# Altium PCB GEM_AFE_128.PcbDoc (part 10 of 18) (continued)
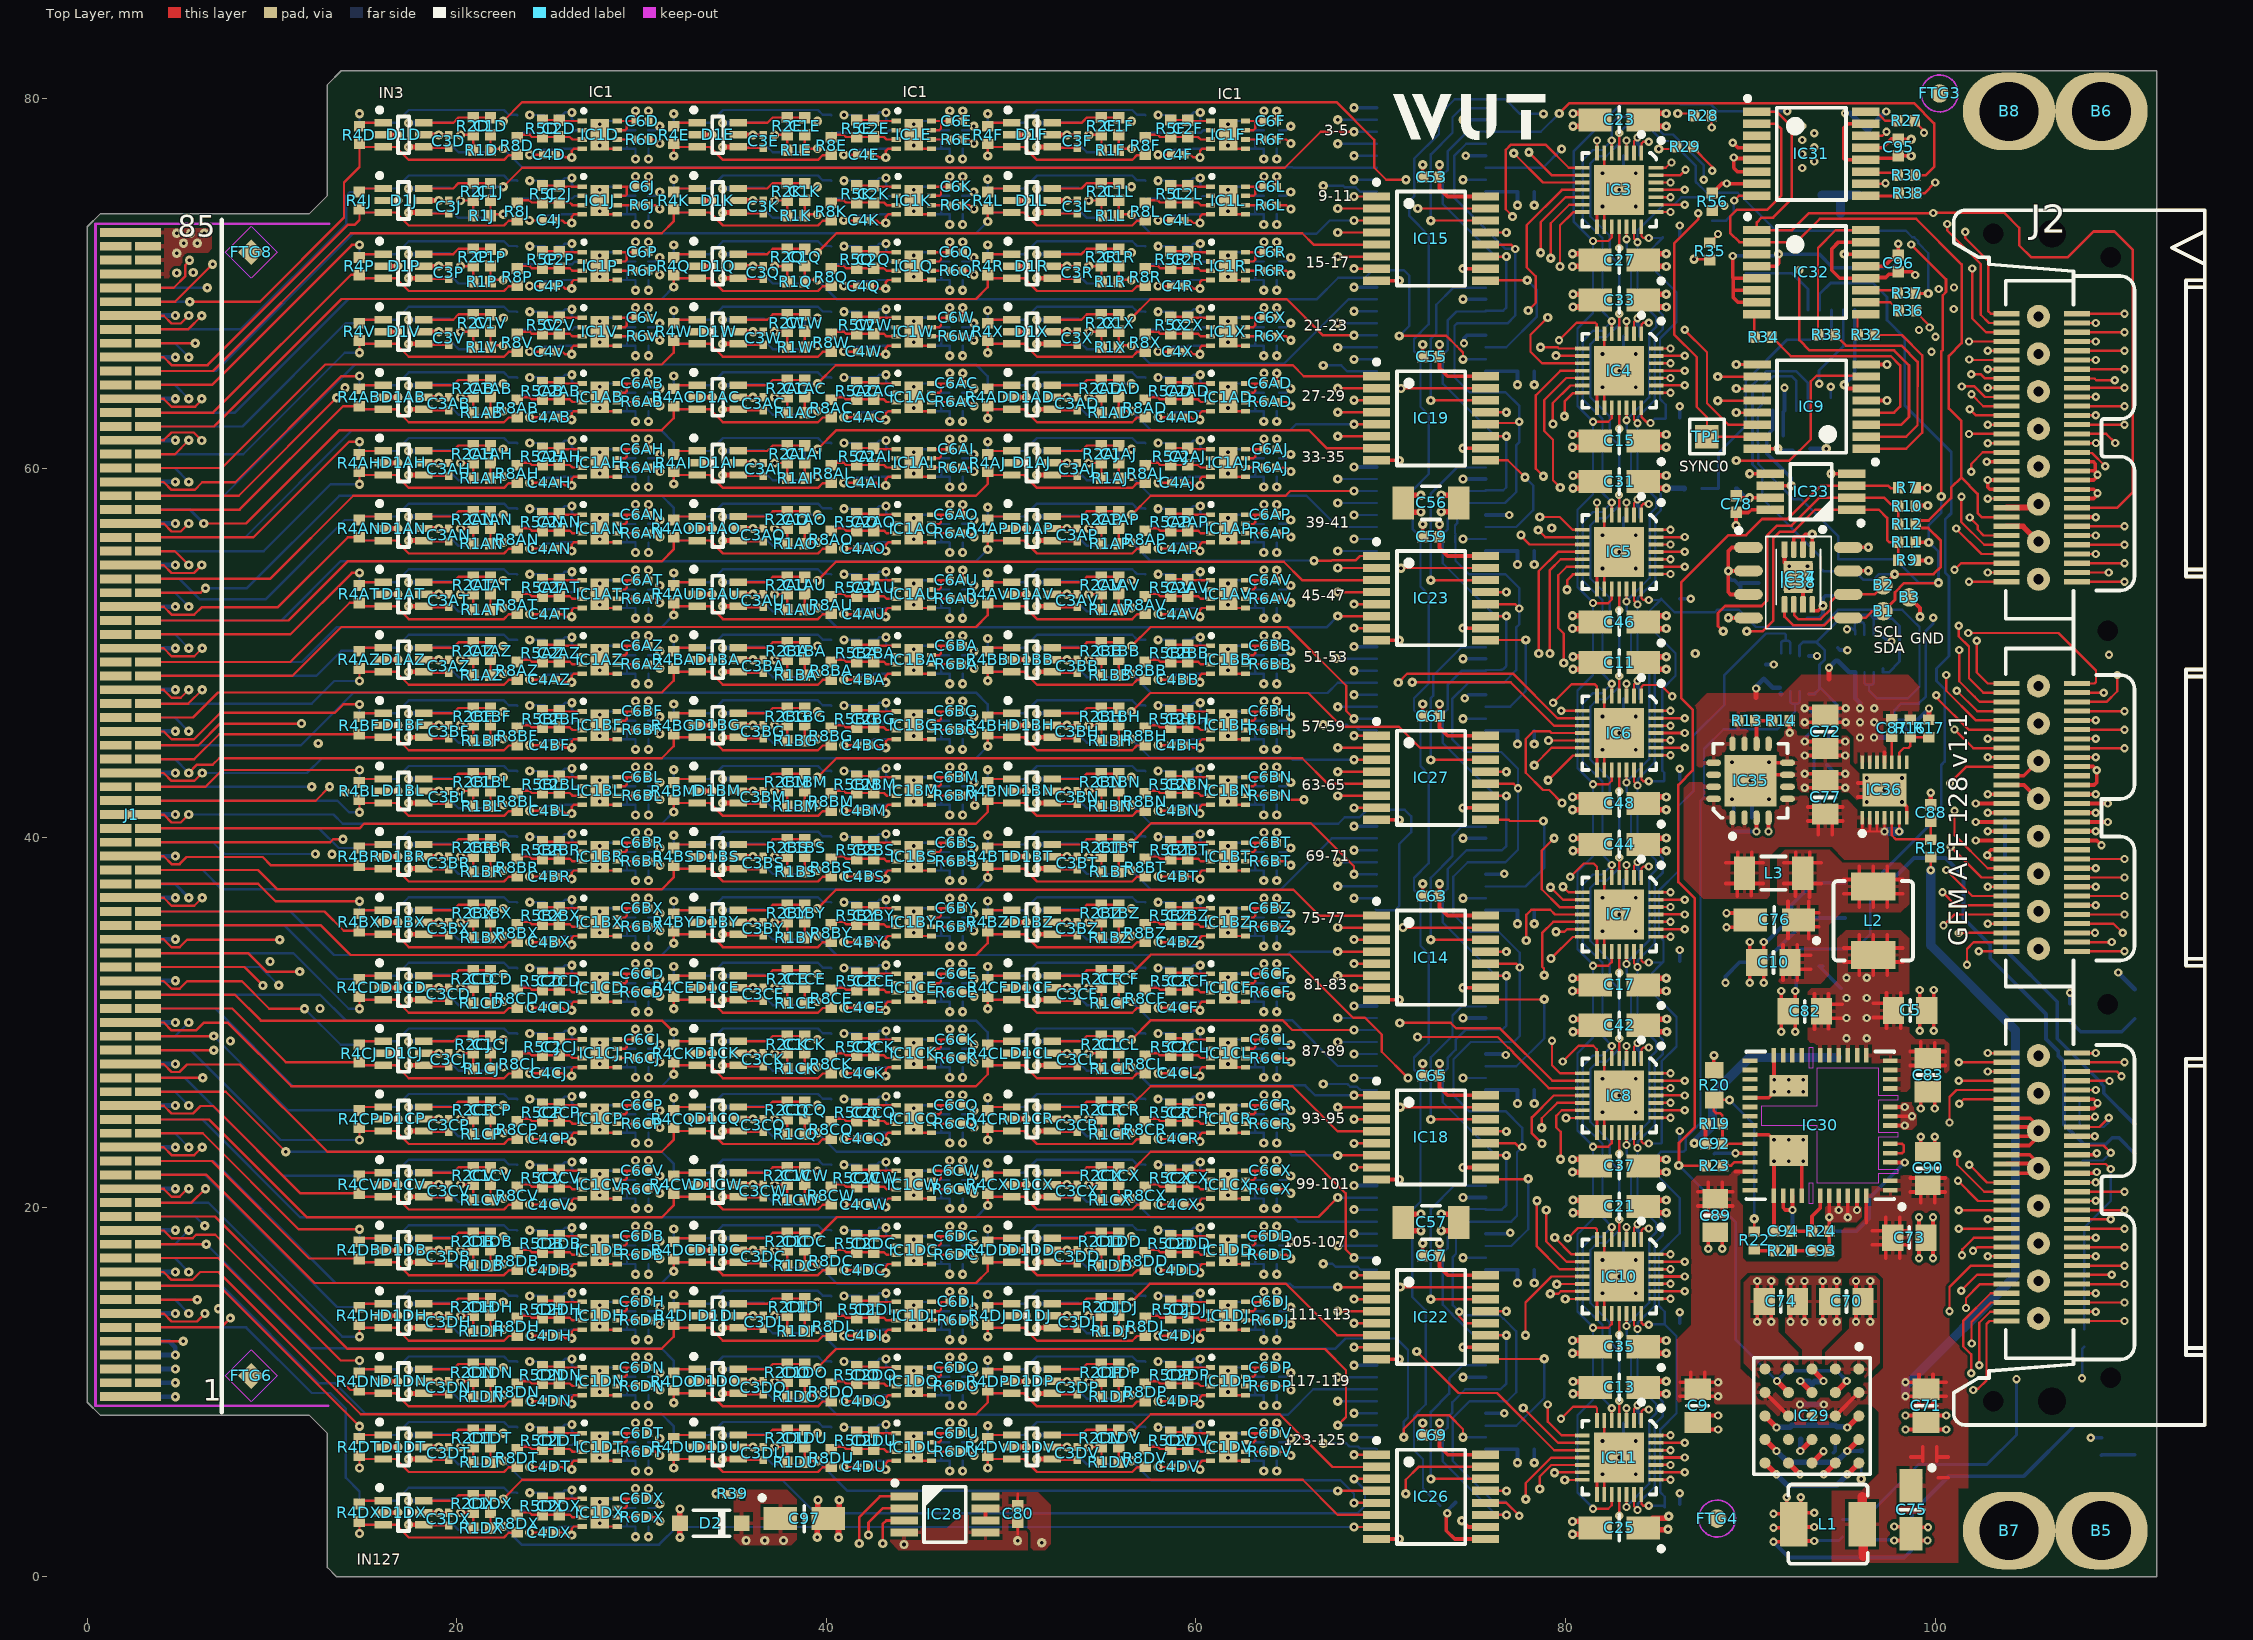
[diagram p0: Top Layer view]
## Nets (pads, with @x,y where several pads share a name; then routed paths per layer and width w, separated by ;. In a path a pad name is that pad's centre, name@x,y a point inside that pad or via, vN(x,y) a via of type N, cw(c..) or ccw(c..) an arc to the next point about the centre after c; other vN are vias at no path point) (continued)
  Bottom Layer w0.127: v1(14.736,43.659) R4BI.1@14.736,42.987 14.924,43.175 16.7,43.175 17.4,43.875 22.55,43.875 22.809,43.616 23.24,43.616 R8BI.1@23.266,43.59
IN_P61: D1BJ.3 J1.126 R4BJ.1 R8BJ.1 | length 40
  L4 w0.127: v1(12.15,42.75) 13,41.9 16,41.9 16.55,41.35 20.209,41.35 21.65,42.791 26.1,42.791 26.925,43.616 28.55,43.616 28.925,43.241 30.5,43.241 30.934,43.675 v1(31.736,43.675)
  Bottom Layer w0.127: J1.126@3.3,42.75 v1(12.15,42.75) ; v1@31.736,43.659 R4BJ.1@31.736,42.987 31.924,43.175 33.7,43.175 34.4,43.875 39.55,43.875 39.809,43.616 40.24,43.616 R8BJ.1@40.266,43.59
IN_P62: D1BK.3 J1.44 R4BK.1 R8BK.1 | length 56.6
  Top Layer w0.127: J1.44@3.3,42 12.37,42 v1(13.12,42.75)
  L4 w0.127: v1(13.12,42.75) 14.67,44.3 15.355,44.3 45.25,44.3 46.2,43.35 47.6,43.35 47.925,43.675 v1(48.736,43.675)
  Bottom Layer w0.127: v1@48.736,43.659 R4BK.1@48.736,42.987 48.924,43.175 50.7,43.175 51.4,43.875 56.55,43.875 56.809,43.616 57.24,43.616 R8BK.1@57.266,43.59
IN_P63: D1BL.3 J1.127 R4BL.1 R8BL.1 | length 21.6
  Top Layer w0.127: v1(14.736,41.375) R4BL.1@14.736,42.047 ; R4BL.1@14.736,42.063 14.924,41.875 16.7,41.875 17.4,41.175 22.551,41.175 22.81,41.434 23.24,41.434 R8BL.1@23.266,41.46 ; R8BL.1@23.143,41.47 R8BL.1@23.266,41.593
  Bottom Layer w0.127: J1.127@3.3,42 13.55,42 14.175,41.375 v1(14.736,41.375)
IN_P64: D1BM.3 J1.43 R4BM.1 R8BM.1 | length 40.1
  Top Layer w0.127: J1.43@2.357,41.243 4.146,41.243 4.571,40.818 5.068,40.818 v1(5.5,41.25) ; v1(31.736,41.391) 31.736,42.063 31.924,41.875 33.7,41.875 34.4,41.175 39.551,41.175 39.81,41.434 40.24,41.434 R8BM.1@40.266,41.46 ; R8BM.1@40.143,41.47 R8BM.1@40.266,41.593
  Bottom Layer w0.127: v1(5.5,41.25) 13.329,41.25 13.829,40.75 31.095,40.75 v1(31.736,41.391)
IN_P65: D1BN.3 J1.42 R4BN.1 R8BN.1 | length 55.7
  Top Layer w0.127: J1.42@3.3,40.5 14.734,40.5 14.983,40.75 48.095,40.75 48.736,41.391 48.736,42.063 48.924,41.875 50.7,41.875 51.4,41.175 56.551,41.175 56.81,41.434 57.24,41.434 R8BN.1@57.266,41.46 ; R8BN.1@57.143,41.47 R8BN.1@57.266,41.593
IN_P66: D1BO.3 J1.129 R4BO.1 R8BO.1 | length 20.9
  Bottom Layer w0.127: J1.129@3.3,40.5 12.547,40.5 13.61,39.437 R4BO.1@14.736,39.437 14.924,39.625 16.7,39.625 17.4,40.325 22.55,40.325 22.809,40.066 23.24,40.066 R8BO.1@23.266,40.04
IN_P67: D1BP.3 J1.41 R4BP.1 R8BP.1 | length 39.3
  Top Layer w0.127: J1.41@3.3,39.75 13.15,39.75 13.309,39.909 v1(13.846,39.909)
  L4 w0.127: v1(13.846,39.909) 14.591,39.909 14.773,40.091 20.8,40.091 21.65,39.241 26.1,39.241 26.925,40.066 28.55,40.066 28.925,39.691 30.5,39.691 30.934,40.125 v1(31.736,40.125)
  Bottom Layer w0.127: v1@31.736,40.109 R4BP.1@31.736,39.437 31.924,39.625 33.7,39.625 34.4,40.325 39.55,40.325 39.809,40.066 40.24,40.066 R8BP.1@40.266,40.04
IN_P68: D1BQ.3 J1.130 R4BQ.1 R8BQ.1 | length 56.7
  L4 w0.127: v1(12.35,39.116) 13.984,40.75 45.2,40.75 46.25,39.7 47.5,39.7 47.925,40.125 v1(48.736,40.125)
  Bottom Layer w0.127: J1.130@3.3,39.75 6.8,39.75 7.434,39.116 v1(12.35,39.116) ; v1@48.736,40.109 R4BQ.1@48.736,39.437 48.924,39.625 50.7,39.625 51.4,40.325 56.55,40.325 56.809,40.066 57.24,40.066 R8BQ.1@57.266,40.04
IN_P69: D1BR.3 J1.40 R4BR.1 R8BR.1 | length 22.1
  Top Layer w0.127: J1.40@2.357,38.993 4.146,38.993 4.571,38.568 5.003,38.568 5.383,38.948 9.502,38.948 9.953,38.497 R4BR.1@14.736,38.497 ; R4BR.1@14.736,38.513 14.924,38.325 16.7,38.325 17.4,37.625 22.551,37.625 22.81,37.884 23.24,37.884 R8BR.1@23.266,37.91 ; R8BR.1@23.143,37.92 R8BR.1@23.266,38.043
IN_P70: D1BS.3 J1.39 R4BS.1 R8BS.1 | length 39
  Top Layer w0.127: J1.39@3.3,38.25 9.25,38.25 10.3,37.2 31.095,37.2 31.736,37.841 31.736,38.513 31.924,38.325 33.7,38.325 34.4,37.625 39.551,37.625 39.81,37.884 40.24,37.884 R8BS.1@40.266,37.91 ; R8BS.1@40.143,37.92 R8BS.1@40.266,38.043
IN_P71: D1BT.3 J1.132 R4BT.1 R8BT.1 | length 56
  Top Layer w0.127: v1(48.736,37.841) 48.736,38.513 48.924,38.325 50.7,38.325 51.4,37.625 56.551,37.625 56.81,37.884 57.24,37.884 R8BT.1@57.266,37.91 ; R8BT.1@57.143,37.92 R8BT.1@57.266,38.043
  Bottom Layer w0.127: J1.132@3.3,38.25 6.25,38.25 7.3,37.2 48.095,37.2 v1(48.736,37.841)
IN_P72: D1BU.3 J1.38 R4BU.1 R8BU.1 | length 21.5
  Top Layer w0.127: J1.38@3.3,37.5 9.25,37.5 10.191,36.559 v1(14.736,36.559)
  Bottom Layer w0.127: v1(14.736,36.559) R4BU.1@14.736,35.887 14.924,36.075 16.7,36.075 17.4,36.775 22.55,36.775 22.809,36.516 23.24,36.516 R8BU.1@23.266,36.49
IN_P73: D1BV.3 J1.133 R4BV.1 R8BV.1 | length 40.2
  L4 w0.127: v1(5.5,36.75) 6.55,35.7 15.109,35.7 15.95,36.541 20.8,36.541 21.65,35.691 26.1,35.691 26.925,36.516 28.55,36.516 28.925,36.141 30.5,36.141 30.934,36.575 v1(31.736,36.575)
  Bottom Layer w0.127: v1@31.736,36.559 R4BV.1@31.736,35.887 31.924,36.075 33.7,36.075 34.4,36.775 39.55,36.775 39.809,36.516 40.24,36.516 R8BV.1@40.266,36.49
  Bottom Layer w0.16: J1.133@3.3,37.5 4.75,37.5 v1(5.5,36.75)
IN_P74: D1BW.3 J1.37 R4BW.1 R8BW.1 | length 57.2
  Top Layer w0.127: J1.37@2.357,36.743 4.146,36.743 4.571,36.318 5.793,36.318 v1(6.225,36.75)
  L4 w0.127: v1(6.225,36.75) 14,36.75 14.45,37.2 15.95,37.2 45.05,37.2 46.075,36.175 47.55,36.175 47.95,36.575 v1(48.736,36.575)
  Bottom Layer w0.127: v1@48.736,36.559 R4BW.1@48.736,35.887 48.924,36.075 50.7,36.075 51.4,36.775 56.55,36.775 56.809,36.516 57.24,36.516 R8BW.1@57.266,36.49
IN_P75: D1BX.3 J1.36 R4BX.1 R8BX.1 | length 21.1
  Top Layer w0.127: J1.36@3.3,36 12.85,36 13.887,34.963 14.736,34.963 14.924,34.775 16.7,34.775 17.4,34.075 22.551,34.075 22.81,34.334 23.24,34.334 R8BX.1@23.266,34.36 ; R8BX.1@23.143,34.37 R8BX.1@23.266,34.493
IN_P76: D1BY.3 J1.135 R4BY.1 R8BY.1 | length 39.5
  Top Layer w0.127: v1(31.736,34.291) 31.736,34.963 31.924,34.775 33.7,34.775 34.4,34.075 39.551,34.075 39.81,34.334 40.24,34.334 R8BY.1@40.266,34.36 ; R8BY.1@40.143,34.37 R8BY.1@40.266,34.493
  Bottom Layer w0.127: J1.135@3.3,36 11,36 13.35,33.65 31.095,33.65 v1(31.736,34.291)
IN_P77: D1BZ.3 J1.35 R4BZ.1 R8BZ.1 | length 56.2
  Top Layer w0.127: J1.35@3.3,35.25 12.65,35.25 14.25,33.65 48.095,33.65 48.736,34.291 48.736,34.963 48.924,34.775 50.7,34.775 51.4,34.075 56.551,34.075 56.81,34.334 57.24,34.334 R8BZ.1@57.266,34.36 ; R8BZ.1@57.143,34.37 R8BZ.1@57.266,34.493
IN_P78: D1CA.3 J1.136 R4CA.1 R8CA.1 | length 21.7
  Bottom Layer w0.127: J1.136@3.3,35.25 10.675,35.25 13.572,32.353 R4CA.1@14.736,32.353 ; R4CA.1@14.736,32.337 14.924,32.525 16.7,32.525 17.4,33.225 22.55,33.225 22.809,32.966 23.24,32.966 R8CA.1@23.266,32.94
IN_P79: D1CB.3 J1.34 R4CB.1 R8CB.1 | length 42.6
  Top Layer w0.127: J1.34@2.357,34.493 4.146,34.493 4.571,34.068 5.003,34.068 5.41,34.475 v1(10.425,34.475)
  L4 w0.127: v1(10.425,34.475) 10.425,32.975 11.35,32.05 16.15,32.05 17.2,33.1 23,33.1 23.6,32.5 26.65,32.5 27.2,33.05 28.4,33.05 28.9,32.55 30.403,32.55 30.878,33.025 v1(31.736,33.025)
  Bottom Layer w0.127: v1@31.736,33.009 R4CB.1@31.736,32.337 31.924,32.525 33.7,32.525 34.4,33.225 39.55,33.225 39.809,32.966 40.24,32.966 R8CB.1@40.266,32.94
IN_P80: D1CC.3 J1.33 R4CC.1 R8CC.1 | length 56.5
  Top Layer w0.127: J1.33@3.3,33.75 8.7,33.75 9.7,32.75 v1(11.5,32.75)
  L4 w0.127: v1@11.476,32.75 16.125,32.75 17.025,33.65 45.25,33.65 46.225,32.675 47.625,32.675 47.975,33.025 v1(48.736,33.025)
  Bottom Layer w0.127: v1@48.736,33.009 R4CC.1@48.736,32.337 48.924,32.525 50.7,32.525 51.4,33.225 56.55,33.225 56.809,32.966 57.24,32.966 R8CC.1@57.266,32.94
IN_P81: D1CD.3 J1.138@3.3,33.75 R4CD.1 R8CD.1 | length 22.5
  Top Layer w0.127: v1(14.736,30.741) 14.736,31.413 14.924,31.225 16.7,31.225 17.4,30.525 22.551,30.525 22.81,30.784 23.24,30.784 R8CD.1@23.266,30.81 ; R8CD.1@23.143,30.82 R8CD.1@23.266,30.943
  Bottom Layer w0.127: J1.138@3.3,33.75 11.15,33.75 14.159,30.741 v1(14.736,30.741)
IN_P82: D1CE.3 J1.32 R4CE.1 R8CE.1 | length 41.7
  Top Layer w0.127: J1.32@3.3,33 8.513,33 v1(9.509,32.003) ; v1(31.736,30.741) 31.736,31.413 31.924,31.225 33.7,31.225 34.4,30.525 39.551,30.525 39.81,30.784 40.24,30.784 R8CE.1@40.266,30.81 ; R8CE.1@40.143,30.82 R8CE.1@40.266,30.943
  L4 w0.127: v1(9.509,32.003) 9.509,31.091 10.95,29.65 19.675,29.65 21.65,31.625 26.1,31.625 26.925,30.8 28.55,30.8 28.925,31.175 30.5,31.175 30.934,30.741 v1(31.736,30.741)
IN_P83: D1CF.3 J1.139 R4CF.1 R8CF.1 | length 59.3
  Top Layer w0.127: v1(48.736,30.741) 48.736,31.413 48.924,31.225 50.7,31.225 51.4,30.525 56.551,30.525 56.81,30.784 57.24,30.784 R8CF.1@57.266,30.81 ; R8CF.1@57.143,30.82 R8CF.1@57.266,30.943
  L4 w0.127: v1(10.372,32.014) 10.372,31.378 11.6,30.15 19.3,30.15 21.212,32.062 26.938,32.062 27.15,31.85 33.1,31.85 34.15,30.8 37.8,30.8 38.65,31.65 43.05,31.65 43.9,30.8 45.45,30.8 45.95,31.3 47.35,31.3 47.909,30.741 v1(48.736,30.741)
  Bottom Layer w0.127: J1.139@3.3,33 9.387,33 v1(10.372,32.014)
IN_P84: D1CG.3 J1.31 R4CG.1 R8CG.1 | length 23.2
  Top Layer w0.127: J1.31@2.357,32.243 4.146,32.243 4.571,31.818 5.003,31.818 5.41,32.225 8.375,32.225 9.858,30.742 v1(11.766,30.742)
  Bottom Layer w0.127: v1(11.766,30.742) 13.721,28.787 R4CG.1@14.736,28.787 14.924,28.975 16.7,28.975 17.4,29.675 22.55,29.675 22.809,29.416 23.24,29.416 R8CG.1@23.266,29.39
IN_P85: D1CH.3 J1.30 R4CH.1 R8CH.1 | length 39
  Top Layer w0.127: J1.30@3.3,31.5 8,31.5 9.4,30.1 31.111,30.1 v1(31.736,29.475)
  Bottom Layer w0.127: v1@31.736,29.459 R4CH.1@31.736,28.787 31.924,28.975 33.7,28.975 34.4,29.675 39.55,29.675 39.809,29.416 40.24,29.416 R8CH.1@40.266,29.39
IN_P86: D1CI.3 J1.141 R4CI.1 R8CI.1 | length 56
  Bottom Layer w0.127: J1.141@3.3,31.5 12.6,31.5 14,30.1 48.095,30.1 48.736,29.459 R4CI.1@48.736,28.787 48.924,28.975 50.7,28.975 51.4,29.675 56.55,29.675 56.809,29.416 57.24,29.416 R8CI.1@57.266,29.39
IN_P87: D1CJ.3 J1.29 R4CJ.1 R8CJ.1 | length 21.8
  Top Layer w0.127: J1.29@3.3,30.75 7.85,30.75 10.753,27.847 R4CJ.1@14.736,27.847 ; R4CJ.1@14.736,27.863 14.924,27.675 16.7,27.675 17.4,26.975 22.551,26.975 22.81,27.234 23.24,27.234 R8CJ.1@23.266,27.26 ; R8CJ.1@23.143,27.27 R8CJ.1@23.266,27.393
IN_P88: D1CK.3 J1.142 R4CK.1 R8CK.1 | length 40.3
  Top Layer w0.127: v1@31.736,27.206 R4CK.1@31.736,27.879 ; R4CK.1@31.736,27.863 31.924,27.675 33.7,27.675 34.4,26.975 39.551,26.975 39.81,27.234 40.24,27.234 R8CK.1@40.266,27.26 ; R8CK.1@40.143,27.27 R8CK.1@40.266,27.393
  Bottom Layer w0.127: J1.142@3.3,30.75 6.95,30.75 11.15,26.55 31.095,26.55 v1(31.736,27.191)
IN_P89: D1CL.3 J1.28 R4CL.1 R8CL.1 | length 58.3
  Top Layer w0.127: J1.28@2.357,29.993 4.146,29.993 4.571,29.568 5.896,29.568 6.302,29.975 7.625,29.975 11.05,26.55 48.095,26.55 48.736,27.191 48.736,27.863 48.924,27.675 50.7,27.675 51.4,26.975 56.551,26.975 56.81,27.234 57.24,27.234 R8CL.1@57.266,27.26 ; R8CL.1@57.143,27.27 R8CL.1@57.266,27.393
IN_P90: D1CM.3 J1.27 R4CM.1 R8CM.1 | length 22.1
  Top Layer w0.127: J1.27@3.3,29.25 v1@6.85,29.25
  Bottom Layer w0.127: v1(6.854,29.259) 10.86,25.253 R4CM.1@14.736,25.253 ; R4CM.1@14.736,25.237 14.924,25.425 16.7,25.425 17.4,26.125 22.55,26.125 22.809,25.866 23.24,25.866 R8CM.1@23.266,25.84
IN_P91: D1CN.3 J1.144 R4CN.1 R8CN.1 | length 41.8
  L4 w0.127: v1(5.5,30) 5.5,28.8 6.6,27.7 8.088,27.7 9.938,25.85 20.625,25.85 21.45,25.025 26.175,25.025 26.975,25.825 28.55,25.825 28.825,25.55 30.525,25.55 30.9,25.925 v1(31.736,25.925)
  Bottom Layer w0.127: J1.144@3.3,29.25 4.75,29.25 v1(5.5,30) ; v1@31.736,25.909 R4CN.1@31.736,25.237 31.924,25.425 33.7,25.425 34.4,26.125 39.55,26.125 39.809,25.866 40.24,25.866 R8CN.1@40.266,25.84
IN_P92: D1CO.3 J1.26 R4CO.1 R8CO.1 | length 56.4
  Top Layer w0.127: J1.26@3.3,28.5 v1(6.85,28.5)
  L4 w0.127: v1(6.85,28.5) 8.055,28.5 10.004,26.551 45.274,26.551 46.2,25.625 47.625,25.625 47.925,25.925 v1(48.736,25.925)
  Bottom Layer w0.127: v1@48.736,25.909 R4CO.1@48.736,25.237 48.924,25.425 50.7,25.425 51.4,26.125 56.55,26.125 56.809,25.866 57.24,25.866 R8CO.1@57.266,25.84
IN_P93: D1CP.3 J1.145 R4CP.1 R8CP.1 | length 23.3
  Top Layer w0.127: v1(14.736,23.641) 14.736,24.313 14.924,24.125 16.7,24.125 17.4,23.425 22.551,23.425 22.81,23.684 23.24,23.684 R8CP.1@23.266,23.71 ; R8CP.1@23.143,23.72 R8CP.1@23.266,23.843
  Bottom Layer w0.127: J1.145@3.3,28.5 5.6,28.5 10.459,23.641 v1(14.736,23.641)
IN_P94: D1CQ.3 J1.25 R4CQ.1 R8CQ.1 | length 41.8
  Top Layer w0.127: J1.25@2.357,27.743 4.146,27.743 4.571,27.318 5.003,27.318 5.41,27.725 8.275,27.725 13,23 31.095,23 31.736,23.641 31.736,24.313 31.924,24.125 33.7,24.125 34.4,23.425 39.551,23.425 39.81,23.684 40.24,23.684 R8CQ.1@40.266,23.71 ; R8CQ.1@40.143,23.72 R8CQ.1@40.266,23.843
IN_P95: D1CR.3 J1.24 R4CR.1 R8CR.1 | length 58.6
  Top Layer w0.127: J1.24@3.3,27 v1(6.25,27) ; v1(48.736,23.641) 48.736,24.313 48.924,24.125 50.7,24.125 51.4,23.425 56.551,23.425 56.81,23.684 57.24,23.684 R8CR.1@57.266,23.71 ; R8CR.1@57.143,23.72 R8CR.1@57.266,23.843
  L4 w0.127: v1(6.25,27) 7.85,27 11.75,23.1 15.75,23.1 16.25,23.6 20.2,23.6 21.1,24.5 26.8,24.5 27.05,24.75 33.05,24.75 33.5,24.3 33.979,24.3 34.229,24.55 34.75,24.55 35.1,24.2 38.094,24.2 38.52,24.626 45.374,24.626 45.75,24.25 47.25,24.25 47.859,23.641 v1(48.736,23.641)
IN_P96: D1CS.3 J1.147 R4CS.1 R8CS.1 | length 22.6
  Bottom Layer w0.127: J1.147@3.3,27 5.3,27 10.597,21.703 R4CS.1@14.736,21.703 ; R4CS.1@14.736,21.687 14.924,21.875 16.7,21.875 17.4,22.575 22.55,22.575 22.809,22.316 23.24,22.316 R8CS.1@23.266,22.29
IN_P97: D1CT.3 J1.23 R4CT.1 R8CT.1 | length 39.7
  Top Layer w0.127: J1.23@3.3,26.25 7.5,26.25 v1(10.75,23)
  Bottom Layer w0.127: v1(10.75,23) 31.095,23 31.736,22.359 R4CT.1@31.736,21.687 31.924,21.875 33.7,21.875 34.4,22.575 39.55,22.575 39.809,22.316 40.24,22.316 R8CT.1@40.266,22.29
IN_P98: D1CU.3 J1.148 R4CU.1 R8CU.1 | length 58.5
  L4 w0.127: v1(5.5,25.5) 6.35,25.5 10.575,21.275 15.75,21.275 17.475,23 45.125,23 46.125,22 47.55,22 47.925,22.375 v1(48.736,22.375)
  Bottom Layer w0.127: J1.148@3.3,26.25 4.75,26.25 v1(5.5,25.5) ; v1@48.736,22.359 R4CU.1@48.736,21.687 48.924,21.875 50.7,21.875 51.4,22.575 56.55,22.575 56.809,22.316 57.24,22.316 R8CU.1@57.266,22.29
IN_P99: D1CV.3 J1.22 R4CV.1 R8CV.1 | length 23.9
  Top Layer w0.127: J1.22@2.357,25.493 4.146,25.493 4.571,25.068 5.72,25.068 6.126,25.475 6.825,25.475 11.553,20.747 R4CV.1@14.736,20.747 ; R4CV.1@14.736,20.763 14.924,20.575 16.7,20.575 17.4,19.875 22.551,19.875 22.81,20.134 23.24,20.134 R8CV.1@23.266,20.16 ; R8CV.1@23.143,20.17 R8CV.1@23.266,20.293
IN_P100: D1CW.3 J1.21 R4CW.1 R8CW.1 | length 40.8
  Top Layer w0.127: J1.21@3.3,24.75 6.6,24.75 11.9,19.45 31.095,19.45 31.736,20.091 31.736,20.763 31.924,20.575 33.7,20.575 34.4,19.875 39.551,19.875 39.81,20.134 40.24,20.134 R8CW.1@40.266,20.16 ; R8CW.1@40.143,20.17 R8CW.1@40.266,20.293
IN_P101: D1CX.3 J1.150 R4CX.1 R8CX.1 | length 57.8
  Top Layer w0.127: v1(48.736,20.091) 48.736,20.763 48.924,20.575 50.7,20.575 51.4,19.875 56.551,19.875 56.81,20.134 57.24,20.134 R8CX.1@57.266,20.16 ; R8CX.1@57.143,20.17 R8CX.1@57.266,20.293
  Bottom Layer w0.127: J1.150@3.3,24.75 6.234,24.75 11.534,19.45 48.095,19.45 v1(48.736,20.091)
IN_P102: D1CY.3 J1.20 R4CY.1 R8CY.1 | length 23.3
  Top Layer w0.127: J1.20@3.3,24 6.25,24 11.441,18.809 v1(14.736,18.809)
  Bottom Layer w0.127: v1(14.736,18.809) R4CY.1@14.736,18.137 14.924,18.325 16.7,18.325 17.4,19.025 22.55,19.025 22.809,18.766 23.24,18.766 R8CY.1@23.266,18.74
IN_P103: D1CZ.3 J1.151 R4CZ.1 R8CZ.1 | length 42.5
  L4 w0.127: v1(5.5,23.25) 12.3,16.45 19.85,16.45 21.175,17.775 26.1,17.775 27.075,18.75 27.95,18.75 28.25,18.45 30.575,18.45 30.95,18.825 v1(31.736,18.825)
  Bottom Layer w0.127: J1.151@3.3,24 4.75,24 v1(5.5,23.25) ; v1@31.736,18.809 R4CZ.1@31.736,18.137 31.924,18.325 33.7,18.325 34.4,19.025 39.55,19.025 39.809,18.766 40.24,18.766 R8CZ.1@40.266,18.74
IN_P104: D1DA.3 J1.19 R4DA.1 R8DA.1 | length 58.6
  Top Layer w0.127: J1.19@2.357,23.243 4.146,23.243 4.571,22.818 5.793,22.818 v1(6.225,23.25)
  L4 w0.127: v1(6.225,23.25) 10.025,19.45 45.15,19.45 46.2,18.4 47.475,18.4 47.9,18.825 v1(48.736,18.825)
  Bottom Layer w0.127: v1@48.736,18.809 R4DA.1@48.736,18.137 48.924,18.325 50.7,18.325 51.4,19.025 56.55,19.025 56.809,18.766 57.24,18.766 R8DA.1@57.266,18.74
IN_P105: D1DB.3 J1.18 R4DB.1 R8DB.1 | length 22.8
  Top Layer w0.127: J1.18@3.3,22.5 6.75,22.5 12.021,17.229 R4DB.1@14.736,17.229 ; R4DB.1@14.736,17.213 14.924,17.025 16.7,17.025 17.4,16.325 22.551,16.325 22.81,16.584 23.24,16.584 R8DB.1@23.266,16.61 ; R8DB.1@23.143,16.62 R8DB.1@23.266,16.743
IN_P106: D1DC.3 J1.153 R4DC.1 R8DC.1 | length 41.3
  Top Layer w0.127: v1(31.736,16.541) 31.736,17.213 31.924,17.025 33.7,17.025 34.4,16.325 39.551,16.325 39.81,16.584 40.24,16.584 R8DC.1@40.266,16.61 ; R8DC.1@40.143,16.62 R8DC.1@40.266,16.743
  Bottom Layer w0.127: J1.153@3.3,22.5 6.837,22.5 13.441,15.896 31.091,15.896 v1(31.736,16.541)
IN_P107: D1DD.3 J1.17 R4DD.1 R8DD.1 | length 58
  Top Layer w0.127: J1.17@3.3,21.75 6.45,21.75 12.3,15.9 48.095,15.9 48.736,16.541 48.736,17.213 48.924,17.025 50.7,17.025 51.4,16.325 56.551,16.325 56.81,16.584 57.24,16.584 R8DD.1@57.266,16.61 ; R8DD.1@57.143,16.62 R8DD.1@57.266,16.743
IN_P108: D1DE.3 J1.154 R4DE.1 R8DE.1 | length 23.4
  Bottom Layer w0.127: J1.154@3.3,21.75 6.373,21.75 13.52,14.603 R4DE.1@14.736,14.603 ; R4DE.1@14.736,14.587 14.924,14.775 16.7,14.775 17.4,15.475 22.55,15.475 22.809,15.216 23.24,15.216 R8DE.1@23.266,15.19
IN_P109: D1DF.3 J1.16 R4DF.1 R8DF.1 | length 43
  Top Layer w0.127: J1.16@2.357,20.993 4.146,20.993 4.571,20.568 5.003,20.568 v1@5.41,20.975
  L4 w0.127: v1(5.5,21) 11.823,14.677 14.727,14.677 15.425,15.375 23,15.375 23.65,14.725 26.575,14.725 27.05,15.2 28.95,15.2 29.225,14.925 30.675,14.925 31.025,15.275 v1(31.736,15.275)
  Bottom Layer w0.127: v1@31.736,15.259 R4DF.1@31.736,14.587 31.924,14.775 33.7,14.775 34.4,15.475 39.55,15.475 39.809,15.216 40.24,15.216 R8DF.1@40.266,15.19
IN_P110: D1DG.3 J1.15 R4DG.1 R8DG.1 | length 58.6
  Top Layer w0.127: J1.15@3.3,20.25 5.65,20.25 v1(6.4,21)
  L4 w0.127: v1(6.4,21) 11.5,15.9 32.75,15.9 32.975,15.675 42.025,15.675 42.789,14.911 43.486,14.911 44.075,15.5 45.3,15.5 45.925,14.875 47.437,14.875 47.837,15.275 v1(48.736,15.275)
  Bottom Layer w0.127: v1@48.736,15.259 R4DG.1@48.736,14.587 48.924,14.775 50.7,14.775 51.4,15.475 56.55,15.475 56.809,15.216 57.24,15.216 R8DG.1@57.266,15.19
IN_P111: D1DH.3 J1.156 R4DH.1 R8DH.1 | length 24.3
  Top Layer w0.127: v1(14.736,12.991) 14.736,13.663 14.924,13.475 16.7,13.475 17.4,12.775 22.551,12.775 22.81,13.034 23.24,13.034 R8DH.1@23.266,13.06 ; R8DH.1@23.143,13.07 R8DH.1@23.266,13.193
  Bottom Layer w0.127: J1.156@3.3,20.25 6.55,20.25 13.809,12.991 v1(14.736,12.991)
IN_P112: D1DI.3 J1.14 R4DI.1 R8DI.1 | length 41.5
  Top Layer w0.127: J1.14@3.3,19.5 6.913,19.5 14.063,12.35 31.095,12.35 31.736,12.991 31.736,13.663 31.924,13.475 33.7,13.475 34.4,12.775 39.551,12.775 39.81,13.034 40.24,13.034 R8DI.1@40.266,13.06 ; R8DI.1@40.143,13.07 R8DI.1@40.266,13.193
IN_P113: D1DJ.3 J1.157 R4DJ.1 R8DJ.1 | length 60.6
  Top Layer w0.127: v1(48.736,12.991) 48.736,13.663 48.924,13.475 50.7,13.475 51.4,12.775 56.551,12.775 56.81,13.034 57.24,13.034 R8DJ.1@57.266,13.06 ; R8DJ.1@57.143,13.07 R8DJ.1@57.266,13.193
  L4 w0.127: v1(6.361,18.993) 11.304,14.05 15.092,14.05 16.142,13 20.025,13 20.975,13.95 26.525,13.95 27.4,13.075 28.225,13.075 29.275,14.125 33,14.125 34.1,13.025 37.575,13.025 38.366,13.816 43.684,13.816 44.4,13.1 45.625,13.1 45.925,13.4 47.5,13.4 47.909,12.991 v1(48.736,12.991)
  Bottom Layer w0.127: J1.157@3.3,19.5 5.854,19.5 v1(6.361,18.993)
IN_P114: D1DK.3 J1.13 R4DK.1 R8DK.1 | length 25.1
  Top Layer w0.127: J1.13@2.357,18.743 4.146,18.743 4.571,18.318 5.707,18.318 5.897,18.508 6.927,18.508 13.726,11.709 v1(14.736,11.709)
  Bottom Layer w0.127: v1(14.736,11.709) R4DK.1@14.736,11.037 14.924,11.225 16.7,11.225 17.4,11.925 22.55,11.925 22.809,11.666 23.24,11.666 R8DK.1@23.266,11.64
IN_P115: D1DL.3 J1.12 R4DL.1 R8DL.1 | length 40.7
  Top Layer w0.127: J1.12@3.3,18 v1(6.45,18)
  Bottom Layer w0.127: v1(6.45,18) 12.075,12.375 31.07,12.375 31.736,11.709 R4DL.1@31.736,11.037 31.924,11.225 33.7,11.225 34.4,11.925 39.55,11.925 39.809,11.666 40.24,11.666 R8DL.1@40.266,11.64
IN_P116: D1DM.3 J1.159 R4DM.1 R8DM.1 | length 59.8
  L4 w0.127: v1(5.5,18.75) 5.5,17.95 6.25,17.2 7.35,17.2 11.036,13.514 14.936,13.514 16.075,12.375 32.725,12.375 32.975,12.125 42.125,12.125 42.9,11.35 43.45,11.35 44.2,12.1 45.238,12.1 46.023,11.316 47.55,11.316 47.959,11.725 v1(48.736,11.725)
  Bottom Layer w0.127: J1.159@3.3,18 4.75,18 v1(5.5,18.75) ; v1@48.736,11.709 R4DM.1@48.736,11.037 48.924,11.225 50.7,11.225 51.4,11.925 56.55,11.925 56.809,11.666 57.24,11.666 R8DM.1@57.266,11.64
IN_P117: D1DN.3 J1.11 R4DN.1 R8DN.1 | length 23.6
  Top Layer w0.127: J1.11@3.3,17.25 7.097,17.25 14.234,10.113 14.736,10.113 14.924,9.925 16.7,9.925 17.4,9.225 22.551,9.225 22.81,9.484 23.24,9.484 R8DN.1@23.266,9.51 ; R8DN.1@23.143,9.52 R8DN.1@23.266,9.643
IN_P118: D1DO.3 J1.160 R4DO.1 R8DO.1 | length 41.7
  Top Layer w0.127: v1(31.736,9.425) R4DO.1@31.736,10.097 ; R4DO.1@31.736,10.113 31.924,9.925 33.7,9.925 34.4,9.225 39.551,9.225 39.81,9.484 40.24,9.484 R8DO.1@40.266,9.51 ; R8DO.1@40.143,9.52 R8DO.1@40.266,9.643
  L4 w0.127: v1(5.5,16.5) 7.15,16.5 10.65,13 14.097,13 15.247,11.85 20.675,11.85 21.95,10.575 26.15,10.575 27.175,9.55 28.35,9.55 28.6,9.8 30.582,9.8 30.957,9.425 v1(31.736,9.425)
  Bottom Layer w0.127: J1.160@3.3,17.25 4.75,17.25 v1(5.5,16.5)
IN_P119: D1DP.3 J1.10 R4DP.1 R8DP.1 | length 60
  Top Layer w0.127: J1.10@2.357,16.493 4.146,16.493 4.571,16.068 5.69,16.068 6.115,16.493 7.107,16.493 13.5,10.1 14.8,8.8 48.095,8.8 48.736,9.441 48.736,10.113 48.924,9.925 50.7,9.925 51.4,9.225 56.551,9.225 56.81,9.484 57.24,9.484 R8DP.1@57.266,9.51 ; R8DP.1@57.143,9.52 R8DP.1@57.266,9.643
IN_P120: D1DQ.3 J1.9 R4DQ.1 R8DQ.1 | length 24.3
  Top Layer w0.127: J1.9@3.3,15.75 7.13,15.75 v1(14.736,8.144)
  Bottom Layer w0.127: R4DQ.1@14.736,7.471 v1(14.736,8.144) ; R4DQ.1@14.736,7.487 14.924,7.675 16.7,7.675 17.4,8.375 22.55,8.375 22.809,8.116 23.24,8.116 R8DQ.1@23.266,8.09
IN_P121: D1DR.3 J1.162 R4DR.1 R8DR.1 | length 41.3
  Bottom Layer w0.127: J1.162@3.3,15.75 7.289,15.75 12.564,10.475 13.417,10.475 15.067,8.825 31.07,8.825 31.736,8.159 R4DR.1@31.736,7.487 31.924,7.675 33.7,7.675 34.4,8.375 39.55,8.375 39.809,8.116 40.24,8.116 R8DR.1@40.266,8.09
IN_P122: D1DS.3 J1.8 R4DS.1 R8DS.1 | length 59
  Top Layer w0.127: J1.8@3.3,15 5.957,15 v1(5.961,14.996)
  L4 w0.127: v1(5.961,14.996) 5.965,15 7.65,15 10.25,12.4 13.4,12.4 16.397,9.403 22.693,9.403 22.707,9.417 23.012,9.417 23.625,8.803 33.217,8.803 33.367,8.653 37.401,8.653 38.789,7.266 43.1,7.266 43.95,8.116 45.25,8.116 45.6,7.766 47.55,7.766 47.959,8.175 v1(48.736,8.175)
  Bottom Layer w0.127: v1@48.736,8.159 R4DS.1@48.736,7.487 48.924,7.675 50.7,7.675 51.4,8.375 56.55,8.375 56.809,8.116 57.24,8.116 R8DS.1@57.266,8.09
IN_P123: D1DT.3 J1.163 R4DT.1 R8DT.1 | length 27.3
  Top Layer w0.127: v1(14.736,5.891) 14.736,6.563 14.924,6.375 16.7,6.375 17.4,5.675 22.551,5.675 22.81,5.934 23.24,5.934 R8DT.1@23.266,5.96 ; R8DT.1@23.143,5.97 R8DT.1@23.266,6.093
  L4 w0.127: v1@5.496,14.294 8.94,10.85 12.8,10.85 15.3,8.35 15.3,6.455 v1(14.736,5.891)
  Bottom Layer w0.127: J1.163@3.3,15 4.75,15 v1(5.5,14.25)
IN_P124: D1DU.3 J1.7 R4DU.1 R8DU.1 | length 43.4
  Top Layer w0.127: J1.7@2.35,14.25 2.357,14.243 4.146,14.243 4.571,13.818 5.939,13.818 v1(6.37,14.25) ; v1(31.736,5.891) 31.736,6.563 31.924,6.375 33.7,6.375 34.4,5.675 39.551,5.675 39.81,5.934 40.24,5.934 R8DU.1@40.266,5.96 ; R8DU.1@40.143,5.97 R8DU.1@40.266,6.093
  L4 w0.127: v1@6.4,14.35 9.35,11.4 12.969,11.4 16.194,8.175 20.075,8.175 21.475,6.775 26.125,6.775 26.95,5.95 28.25,5.95 28.6,6.3 30.55,6.3 30.959,5.891 v1(31.736,5.891)
IN_P125: D1DV.3 J1.6 R4DV.1 R8DV.1 | length 60.3
  Top Layer w0.127: J1.6@3.3,13.5 7.25,13.5 v1(7.75,14) ; v1(48.736,5.891) 48.736,6.563 48.924,6.375 50.7,6.375 51.4,5.675 56.551,5.675 56.81,5.934 57.24,5.934 R8DV.1@57.266,5.96 ; R8DV.1@57.143,5.97 R8DV.1@57.266,6.093
  L4 w0.127: v1(7.75,14) 9.75,12 13.053,12 16.285,8.767 20.383,8.767 21.85,7.3 26.1,7.3 27,8.2 28.125,8.2 28.625,7.7 30.475,7.7 31.017,8.242 37.083,8.242 38.575,6.75 43.15,6.75 43.95,5.95 45.25,5.95 45.6,6.3 47.55,6.3 47.959,5.891 v1(48.736,5.891)
IN_P126: D1DW.3 J1.165 R4DW.1 R8DW.1 | length 27
  Bottom Layer w0.127: J1.165@3.3,13.5 8.6,13.5 12.15,9.95 13.15,9.95 14,9.1 14,5.361 14.736,4.625 ; 14.736,4.609 R4DW.1@14.736,3.937 14.924,4.125 16.7,4.125 17.4,4.825 22.55,4.825 22.809,4.566 23.24,4.566 R8DW.1@23.266,4.54
IN_P127: D1DX.3 J1.5 R4DX.1 R8DX.1 | length 29
  Top Layer w0.127: J1.5@3.3,12.75 v1(5.2,12.75) ; v1(14.736,2.341) 14.736,3.013 14.924,2.825 16.7,2.825 17.4,2.125 22.551,2.125 22.81,2.384 23.24,2.384 R8DX.1@23.266,2.41 ; R8DX.1@23.143,2.42 R8DX.1@23.266,2.543
  L4 w0.127: v1(5.2,12.75) 6.134,12.75 8.603,10.281 12.569,10.281 14.215,8.635 14.215,2.862 v1(14.736,2.341)
NetB4_1: B4.1 R40.1 R42.2 U1.3 U1.5 U2.3 U2.5 | length 22.7
  Bottom Layer w0.15: U2.3@92.664,49.823 92.664,50.403 92.849,50.588 93.565,50.588 94.029,50.124 94.029,49.647 93.737,49.354 93.737,48.147 ; U2.5@93.164,47.773 93.46,47.773 ; 93.493,47.773 93.46,47.773 ; 93.578,50.575 95.044,52.041 96.494,52.041 96.675,51.86 ; B4.1@93.734,41.175 93.734,42.668 93.437,42.965 93.437,44.203 R42.2@94.126,44.892 94.228,44.994 94.228,45.782 R40.1@94.262,45.816 94.328,45.816 94.37,45.858 94.749,46.237 94.749,47.135 93.785,48.099 93.737,48.147 ; U1.3@96.675,50.995 96.675,51.86 ; U1.5@97.175,49.154 U1.5@97.175,48.945 97.492,48.945 98.071,49.524 98.071,51.454 97.665,51.86 96.675,51.86 ; 93.46,47.773 93.737,48.05 93.737,48.147
NetC1A_1: C1A.1 D1A.6 R2A.2 | length 3.7
  Bottom Layer w0.127: D1A.6@18.225,77.375 19.806,77.375 20.096,77.085 R2A.2@20.887,77.085 21.806,77.085 C1A.1@21.826,77.105
NetC1AA_1: C1AA.1 D1AA.6 R2AA.2 | length 3.7
  Bottom Layer w0.127: D1AA.6@52.225,63.175 53.806,63.175 54.096,62.885 R2AA.2@54.887,62.885 55.806,62.885 C1AA.1@55.826,62.905
NetC1AB_1: C1AB.1 D1AB.6 R2AB.2 | length 3.7
  Top Layer w0.127: D1AB.6@18.225,64.475 19.806,64.475 20.096,64.765 R2AB.2@20.887,64.765 21.806,64.765 C1AB.1@21.826,64.745
NetC1AC_1: C1AC.1 D1AC.6 R2AC.2 | length 3.7
  Top Layer w0.127: D1AC.6@35.225,64.475 36.806,64.475 37.096,64.765 R2AC.2@37.887,64.765 38.806,64.765 C1AC.1@38.826,64.745
NetC1AD_1: C1AD.1 D1AD.6 R2AD.2 | length 3.7
  Top Layer w0.127: D1AD.6@52.225,64.475 53.806,64.475 54.096,64.765 R2AD.2@54.887,64.765 55.806,64.765 C1AD.1@55.826,64.745
NetC1AE_1: C1AE.1 D1AE.6 R2AE.2 | length 3.7
  Bottom Layer w0.127: D1AE.6@18.225,59.625 19.806,59.625 20.096,59.335 R2AE.2@20.887,59.335 21.806,59.335 C1AE.1@21.826,59.355
NetC1AF_1: C1AF.1 D1AF.6 R2AF.2 | length 3.7
  Bottom Layer w0.127: D1AF.6@35.225,59.625 36.806,59.625 37.096,59.335 R2AF.2@37.887,59.335 38.806,59.335 C1AF.1@38.826,59.355
NetC1AG_1: C1AG.1 D1AG.6 R2AG.2 | length 3.7
  Bottom Layer w0.127: D1AG.6@52.225,59.625 53.806,59.625 54.096,59.335 R2AG.2@54.887,59.335 55.806,59.335 C1AG.1@55.826,59.355
NetC1AH_1: C1AH.1 D1AH.6 R2AH.2 | length 3.7
  Top Layer w0.127: D1AH.6@18.225,60.925 19.806,60.925 20.096,61.215 R2AH.2@20.887,61.215 21.806,61.215 C1AH.1@21.826,61.195
NetC1AI_1: C1AI.1 D1AI.6 R2AI.2 | length 3.7
  Top Layer w0.127: D1AI.6@35.225,60.925 36.806,60.925 37.096,61.215 R2AI.2@37.887,61.215 38.806,61.215 C1AI.1@38.826,61.195
NetC1AJ_1: C1AJ.1 D1AJ.6 R2AJ.2 | length 3.7
  Top Layer w0.127: D1AJ.6@52.225,60.925 53.806,60.925 54.096,61.215 R2AJ.2@54.887,61.215 55.806,61.215 C1AJ.1@55.826,61.195
NetC1AK_1: C1AK.1 D1AK.6 R2AK.2 | length 3.7
  Bottom Layer w0.127: D1AK.6@18.225,56.075 19.806,56.075 20.096,55.785 R2AK.2@20.887,55.785 21.806,55.785 C1AK.1@21.826,55.805
NetC1AL_1: C1AL.1 D1AL.6 R2AL.2 | length 3.7
  Bottom Layer w0.127: D1AL.6@35.225,56.075 36.806,56.075 37.096,55.785 R2AL.2@37.887,55.785 38.806,55.785 C1AL.1@38.826,55.805
NetC1AM_1: C1AM.1 D1AM.6 R2AM.2 | length 3.7
  Bottom Layer w0.127: D1AM.6@52.225,56.075 53.806,56.075 54.096,55.785 R2AM.2@54.887,55.785 55.806,55.785 C1AM.1@55.826,55.805
NetC1AN_1: C1AN.1 D1AN.6 R2AN.2 | length 3.7
  Top Layer w0.127: D1AN.6@18.225,57.375 19.806,57.375 20.096,57.665 R2AN.2@20.887,57.665 21.806,57.665 C1AN.1@21.826,57.645